# Altium PCB fMAX_MB.PcbDoc (part 7 of 13)
Units mil, origin at the board's own origin, x right, y up, seen from the top; angles counter-clockwise.
Board outline 9175 x 6300 mil, 14 copper layers (TopLayer, Gnd1, MidLayer1, Power1, MidLayer4, Power2, MidLayer2, Power3, MidLayer3, Gnd3, MidLayer6, Gnd2, MidLayer5, BottomLayer); 679 components, 896 nets, 4133 pads, 2341 vias.
Unrouted connection lines stored in the file: 4.
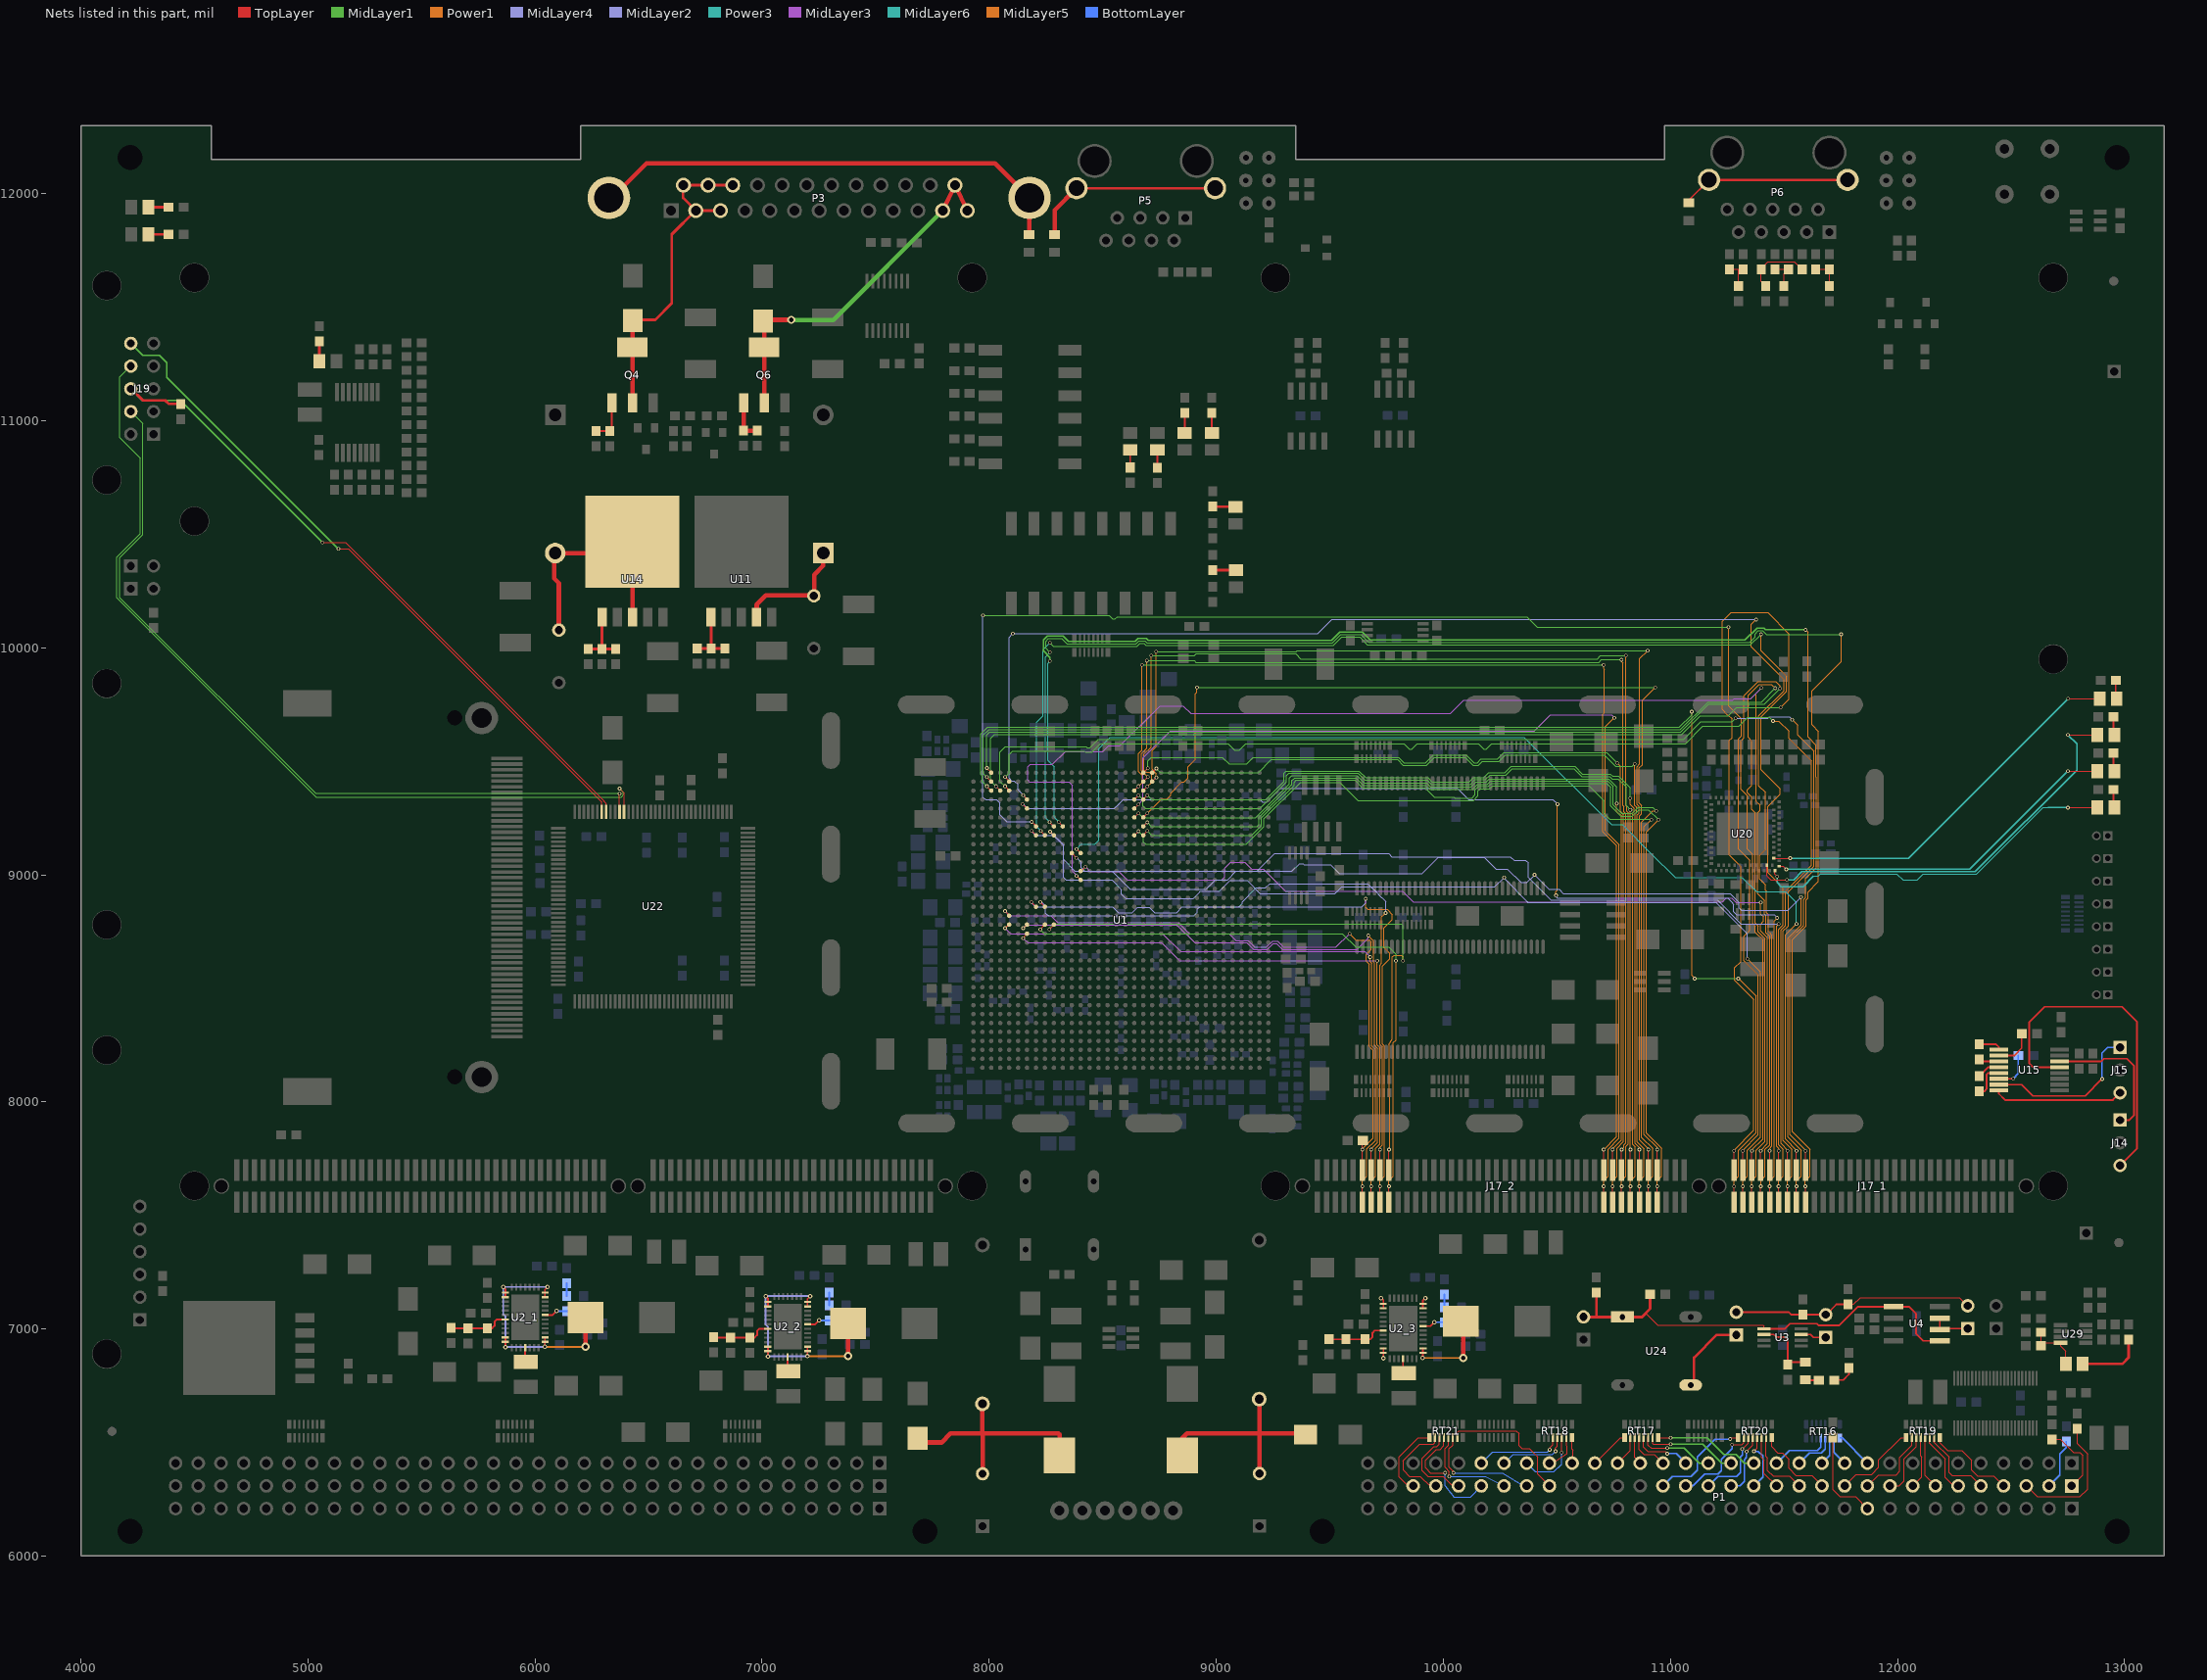
[diagram p19: the nets of this part, all layers, seen from the top]

## Via types
v1: diameter 16, hole 10, TopLayer to BottomLayer, tented both sides, 2192 vias
v2: diameter 36, hole 20, TopLayer to BottomLayer, tented both sides, 84 vias
v3: diameter 20, hole 10, TopLayer to BottomLayer, tented both sides, 61 vias
v4: diameter 160, hole 125, TopLayer to BottomLayer, tented both sides, 4 vias

## Nets (pads, with @x,y where several pads share a name; then routed paths per layer and width w, separated by ;. In a path a pad name is that pad's centre, name@x,y a point inside that pad or via, vN(x,y) a via of type N, cw(c..) or ccw(c..) an arc to the next point about the centre after c; other vN are vias at no path point) (continued)
M2_DEMODA_DATA4: J17_2.7 U1.R8 | length 4366.2
  TopLayer w5: U1.R8@8678.43,9174.02 8678.43,9174.43 v1(8697,9193) ; J17_2.7@10941.89,7558.27 v1@10941.89,7627.89
  MidLayer1 w5: v1(8697,9193) 8716,9174 9156.28,9174 9199.8,9217.52 9199.8,9250.26 9343.5,9393.96 9343.5,9407.48 9353.02,9417 9611.08,9417 9644.22,9383.86 9919.08,9383.86 9961.41,9341.54 10047.43,9341.54 10050.39,9338.58 10125.98,9338.58 10139.76,9352.36 10139.76,9374.64 10153.71,9388.59 10198.62,9388.59 10212.28,9402.24 10719.85,9402.24 10737.05,9385.05 10737.05,9302.32 10782.48,9256.89 10832.68,9256.89 10862.05,9286.26 10903.7,9286.26 v1(10947.83,9242.13)
  MidLayer5 w5: v1@10941.89,7627.89 10941.89,7652.89 10961,7672 10961,7794.91 10893.78,7862.13 10893.78,9188.07 v1(10947.83,9242.13)
  other v1: 10942,7628
M2_DEMODA_DATA5: J17_2.8 U1.T8 | length 4201
  TopLayer w5: U1.T8@8639.06,9174.06 v1(8657,9192) ; J17_2.8@10941.89,7700 v1@10941.89,7789.89
  MidLayer1 w5: v1(8657,9192) 8658,9192 8680,9170 8680,9144 8687,9137 8687,9136.82 8689.96,9133.86 9131.89,9133.86 9210.63,9212.6 9210.63,9246.94 9370.69,9407 9543.79,9407 9623.03,9327.76 10131.89,9327.76 10151.57,9347.44 10151.57,9368.9 10161.26,9378.59 10204.37,9378.59 10218.03,9392.24 10641.22,9392.24 10707.68,9325.79 10707.68,9270.67 10733.27,9245.08 10913.39,9245.08 v1(10915.35,9243.11)
  MidLayer5 w5: v1(10915.35,9243.11) 10883.78,9211.54 10883.78,7856.38 10940.94,7799.21 v1@10940.94,7791.34
  other v1: 10942,7790
M2_DEMODA_DATA6: J17_2.9 U1.R7 | length 4335.8
  TopLayer w5: U1.R7@8678.43,9213.39 v1(8696,9231) ; J17_2.9@10902.52,7558.27 v1@10902.52,7627.48
  MidLayer1 w5: v1(8696,9231) 8714,9213 9180.52,9213 9187.99,9220.47 9187.99,9252.59 9332.68,9397.28 9332.68,9414.36 9345.32,9427 9615.22,9427 9647.53,9394.68 9922.4,9394.68 9940.12,9376.97 10127.95,9376.97 10149.57,9398.59 10193.86,9398.59 10207.52,9412.24 10724,9412.24 10747.05,9389.19 10747.05,9307.09 10784.45,9269.68 10830.71,9269.68 10857.28,9296.26 10922.24,9296.26 v1(10937.01,9281.5)
  MidLayer5 w5: v1(10903,7628) 10903,7653 10922,7672 10922,7794.54 10873.78,7842.76 10873.78,9232.97 10922.31,9281.5 v1(10937.01,9281.5)
M2_DEMODA_DATA7: J17_2.10 U1.R6 | length 4884.4
  TopLayer w5: U1.R6@8678.43,9252.76 8678.76,9252.76 v1(8697,9271) ; J17_2.10@10902.52,7700 v1@10902.52,7789.52
  MidLayer1 w5: v1(8915,9825) v1(10933,9825)
  MidLayer5 w5: v1(8697,9271) 8760,9334 8782,9334 8799.58,9351.58 8799.58,9359.44 8848.14,9408 8858,9408 8875,9425 8875,9474.72 8908,9507.72 8908,9797.35 8915,9804 v1(8915,9825) ; v1@10902.52,7789.52 10902.52,7794.33 10863.78,7833.07 10863.78,9259.35 10872.05,9267.61 10872.05,9306.1 10863,9315.15 10863,9471.89 10875.98,9484.87 10875.98,9767.98 v1(10933,9825)
  other v1: 10903,7790
M2_DEMODA_DATA8: J17_2.11 U1.P2 | length 5236.8
  TopLayer w5: U1.P2@8717.8,9410.24 8718.24,9410.24 v1(8736,9428) ; J17_2.11@10863.15,7558.27 v1@10863.15,7627.15
  MidLayer1 w5: v1(8735,9983) 9352,9983 9356,9987 v1(10900,9987)
  MidLayer5 w5: v1(8735,9983) 8735,9565 8717,9547 8717,9465 8736,9446 v1(8736,9428) ; v1(10863,7628) 10863,7653 10883,7673 10883,7794.17 10853.78,7823.39 10853.78,9263.49 10861.22,9270.93 10861.22,9301.18 10860.39,9302.01 10860.39,9302.99 10853,9310.39 10853,9476.03 10865.16,9488.19 10865.16,9952.16 v1(10900,9987)
M2_DEMODA_DATA9: J17_2.12 U1.P1 | length 4049
  TopLayer w5: U1.P1@8717.8,9449.61 8717.8,9449.8 v1(8736,9468) ; J17_2.12@10863.15,7700 v1(10863.15,7789.85)
  MidLayer1 w5: v1(8736,9468) 8754,9450 9185.24,9450 9242.24,9507 9798,9507 9822.72,9482.28 9926.18,9482.28 9961.29,9517.39 10096.42,9517.39 10131.53,9482.28 10154.53,9482.28 10171.71,9499.47 10244.55,9499.47 10272.47,9527.39 10707.85,9527.39 10757.87,9477.36 10832.36,9477.36 v1(10843,9488)
  MidLayer5 w5: v1(10843,9488) 10843,9305.62 10850.39,9298.23 10850.39,9274.24 10843.78,9267.63 10843.78,7817.64 10863.15,7798.27 v1(10863.15,7789.85)
M2_DEMODA_DATA10: J17_2.13 U1.R4 | length 4168.1
  TopLayer w5: U1.R4@8678.43,9331.5 8678.43,9332.43 v1(8696,9350) ; J17_2.13@10823.78,7558.27 v1@10823.78,7627.78
  MidLayer1 w5: v1(8696,9350) 8715,9331 9217.81,9331 9297.24,9410.43 9297.24,9446.85 9307.39,9457 9627.65,9457 9657.48,9427.17 9932.35,9427.17 9950.06,9409.45 10114.17,9409.45 10133.31,9428.59 10178.76,9428.59 10199.65,9449.47 10271.32,9449.47 10299.24,9477.39 10578.71,9477.39 10612.2,9443.9 10734.77,9443.9 10744.61,9434.06 10771.65,9434.06 10823.82,9381.89 10823.82,9338.58 v1(10822.83,9337.6)
  MidLayer5 w5: v1(10822.83,9337.6) 10822.83,9310.04 10839.57,9293.31 10839.57,9277.56 10833.78,9271.77 10833.78,7811.89 10844,7801.67 10844,7673 10823.78,7652.78 v1@10823.78,7628
  other v1: 10824,7628
M2_DEMODA_DATA11: J17_2.14 U1.T4 | length 4071.3
  TopLayer w5: U1.T4@8639.06,9331.5 8639.5,9331.5 v1(8658,9350) ; J17_2.14@10823.78,7700 v1@10823.78,7789.78
  MidLayer1 w5: v1(8658,9350) 8677,9331 8677,9303 8688,9292 9193.57,9292 9310.04,9408.46 9310.04,9437.01 9320.03,9447 9623.5,9447 9654.16,9416.34 9929.03,9416.34 9946.75,9398.62 10119.09,9398.62 10139.06,9418.59 10184.33,9418.59 10205.22,9439.47 10276.05,9439.47 10303.98,9467.39 10574.57,9467.39 10608.89,9433.07 10731.45,9433.07 10742.28,9422.24 10769.32,9422.24 10805.12,9386.45 10805.12,9304.88 v1(10823.78,9286.22)
  MidLayer5 w5: v1@10823.78,7789.78 v1(10823.78,9286.22)
  other v1: 10824,7790
M2_DEMODA_DATA12: J17_2.15 U1.R3 | length 5175.1
  TopLayer w5: U1.R3@8678.43,9370.87 8678.87,9370.87 v1(8697,9389) ; J17_2.15@10784.41,7558.27 v1@10784.41,7627.59
  MidLayer1 w5: v1(8714,9965) 8904,9965 8912,9973 9349,9973 9371,9951 10678,9951 10692,9965 v1(10804,9965)
  MidLayer5 w5: v1(8697,9389) 8715,9407 8715,9442 8705,9452 8691.14,9452 8682,9461.14 8682,9530.72 8714,9562.72 v1(8714,9965) ; v1(10785,7628) 10785,7653 10804,7672 10804,7804 10813.78,7813.78 10813.78,9272.83 10807.09,9279.53 10807.09,9303.15 10804,9306.24 v1(10804,9965)
M2_DEMODA_DATA13: J17_2.16 U1.R2 | length 4920.6
  TopLayer w5: U1.R2@8678.43,9410.24 8678.43,9410.43 v1(8698,9430) ; J17_2.16@10784.41,7700 v1@10784.41,7789.59
  MidLayer1 w5: v1(8694,9943) 8903,9943 8910,9936 10684,9936 10695,9947 v1@10783,9947
  MidLayer5 w5: v1(8694,9943) 8694,9557 8685,9548 8685,9547.86 8671,9533.86 8671,9458 8698,9431 v1(8698,9430) ; v1@10784,9947 v1(10784.41,9946.59) 10784.41,9940 10791.34,9933.07 10791.34,9304.76 10795.28,9300.82 10795.28,9277.2 10803.78,9268.69 10803.78,7819.53 10794,7809.75 10794,7799 v1(10785,7790)
M2_DEMODA_DATA14: J17_2.17 U1.R1 | length 4199.4
  TopLayer w5: U1.R1@8678.43,9449.61 8678.61,9449.61 v1(8698,9469) ; J17_2.17@10745.04,7558.27 v1(10745,7628)
  MidLayer1 w5: v1(8698,9469) 8698,9500.86 8714.53,9517.39 9026.61,9517.39 9056,9488 9134,9488 9163,9517 9802.15,9517 9826.15,9493 9922.13,9493 9956.52,9527.39 10100.56,9527.39 10134.84,9493.11 10149.61,9493.11 10165.96,9509.47 10238.8,9509.47 10266.72,9537.39 10720.61,9537.39 v1(10765,9493)
  MidLayer5 w5: v1(10745,7628) 10745,7653 10765,7673 10765,7796.5 10793.78,7825.28 10793.78,9264.55 10779.53,9278.8 10779.53,9478.47 v1(10765,9493)
M2_DEMODA_DATAX: J17_2.18 U1.T6 | length 3992.3
  TopLayer w5: U1.T6@8639.06,9252.76 8639.06,9253.06 v1(8657,9271) ; J17_2.18@10745.04,7700 v1(10745,7790)
  MidLayer1 w5: v1(8657,9271) 8676,9252 9173.26,9252 9320.87,9399.61 9320.87,9425.2 9332.67,9437 9619.36,9437 9650.85,9405.51 9925.71,9405.51 9943.43,9387.8 10122.75,9387.8 10143.54,9408.59 10189.1,9408.59 10202.76,9422.24 10728.14,9422.24 10763.78,9386.6 v1(10763.78,9313.98)
  MidLayer5 w5: v1(10745,7790) 10745,7792.24 10783.78,7831.02 10783.78,9260.41 10763.78,9280.41 v1(10763.78,9313.98)
M2_DEMODA_S0: J17_2.19 U1.T5 | length 4601.3
  TopLayer w5: U1.T5@8639.06,9292.13 U1.T5@8639.06,9292.13 v1(8657,9310) ; J17_2.19@10705.67,7558.27 v1@10705.67,7627.67
  MidLayer3 w5: v1(8657,9310) 8657,9310.54 8677.17,9330.71 8677.17,9513.78 8797.24,9633.86 10399.61,9633.86 10470.47,9704.72 10740.16,9704.72 v1(10752.95,9691.93)
  MidLayer5 w5: v1@10705.67,7627.67 10705.67,7652.67 10725,7672 10725,7791.93 10773.78,7840.71 10773.78,9131.73 10712.91,9192.6 10712.91,9651.89 v1(10752.95,9691.93)
  other v1: 10706,7628
M2_DEMODA_S1: J17_2.20 U1.T3 | length 4891.4
  TopLayer w5: U1.T3@8639.06,9370.87 8639.06,9371.06 v1(8658,9390) ; J17_2.20@10705.67,7700 v1@10705.67,7789.67
  MidLayer1 w5: v1(8673,9924) v1(10706,9924)
  MidLayer5 w5: v1(8658,9390) 8674,9406 8674,9436 8657,9453 8657,9534 8673,9550 v1(8673,9924) ; v1(10706,7790) 10707.32,7790 10763.78,7846.46 10763.78,9127.59 10702.91,9188.46 10702.91,9706.85 10708.66,9712.6 10708.66,9905.51 10706,9908.17 v1(10706,9924)
M2_DEMODB_DATA0: J17_1.50 U1.AB10 | length 5155.7
  TopLayer w5: v1(8385,9113) 8402.72,9095.28 U1.AB10@8402.83,9095.28 ; J17_1.50@11555.12,7700 v1@11555.12,7783.88
  MidLayer5 w5: v1(11555,7785) 11555,7787.52 11507,7835.52 11507,8735.35 v1(11555.12,8783.47)
  MidLayer6 w5: v1@8385,9111.06 v1(8385,9113) ; v1@8385.83,9113.19 8385.83,9114.17 8405.51,9133.86 8465.55,9133.86 8483.27,9151.57 8483.27,9556.1 8532.99,9605.83 10355.68,9605.83 10741.04,9220.47 10787.87,9220.47 10913.85,9094.49 ; 10914.27,9094.49 11020.57,8988.19 11315.84,8988.19 11378.83,8925.2 11507.87,8925.2 11555.12,8877.95 v1(11555.12,8783.47)
M2_DEMODB_DATA1: J17_1.51 U1.AK3 | length 5990.8
  TopLayer w5: v1(8070,9390) 8087.87,9372.13 U1.AK3@8087.87,9370.87 ; J17_1.51@11515.75,7558.27 v1@11515.75,7627.75
  MidLayer1 w5: v1(8070,9390) 8048,9412 8048,9541 8072,9565 8427.09,9565 8432.09,9560 8443,9560 8480.39,9597.39 11057.96,9597.39 11134.57,9674 11271,9674 v1(11287,9689)
  MidLayer2 w5: v1(11287,9689) 11429,9689 11435,9695 11524,9695 v1(11536,9683)
  MidLayer5 w5: v1(11516,7628) 11516,7653 11535,7672 11535,7791.77 11497,7829.77 11497,8752.18 11519.68,8774.87 11519.68,8925.2 11631.73,9037.24 11631.73,9426.6 11631.57,9426.75 11631.57,9544.61 11560.04,9616.14 11560.04,9658.96 v1(11536,9683)
M2_DEMODB_DATA2: J17_1.52 U1.AK2 | length 5768.3
  TopLayer w5: v1(8070,9430) 8087.87,9412.13 U1.AK2@8087.87,9410.24 ; J17_1.52@11515.75,7700 v1@11515.75,7783.25
  MidLayer1 w5: v1(8070,9430) 8088,9448 8088,9530 8103,9545 8418.81,9545 8423.81,9540 8453,9540 8490.39,9577.39 9051.47,9577.39 9079.86,9549 9101,9549 9129.39,9577.39 9826,9577 9827,9577 9850,9554 9862,9554 9885.39,9577.39 10154.61,9577.39 10178,9554 10190,9554 10213.39,9577.39 11066.25,9577.39 11142.86,9654 11301.53,9654 11341.53,9694 11435,9694 v1(11452,9677)
  MidLayer5 w5: v1(11452,9677) 11477.53,9677 11521.65,9632.87 11521.65,9601.38 11621.57,9501.46 11621.57,9422.61 11621.73,9422.46 11621.73,9041.39 11516.2,8935.86 11516,8935.86 11507.87,8927.73 11507.87,8777.2 11487,8756.32 11487,7816.15 11516,7787.15 v1(11516,7785)
M2_DEMODB_DATA3: J17_1.53 U1.AF8 | length 6783.1
  TopLayer w5: v1(8227,9193) 8245.35,9174.65 U1.AF8@8245.35,9174.02 ; J17_1.53@11476.38,7558.27 v1@11476.38,7627.62
  MidLayer1 w5: v1(8267.72,10021.65) 8282.48,10006.89 8651.57,10006.89 8663.39,10018.7 8682.09,10018.7 8689.96,10010.83 9516.68,10010.83 9552.12,10046.26 9631.89,10046.26 9665.15,10013 11352.57,10013 v1(11398.62,10059.06)
  MidLayer5 w5: v1(11398.62,10059.06) 11398.62,9987.2 11510.83,9875 11510.83,9807.71 11397.95,9694.83 11397.95,9463.27 11483.27,9377.95 11483.27,9354.33 11430.12,9301.18 11430.12,9008.86 11495.21,8943.77 11495.21,8778.67 11477,8760.46 11477,7810.4 11496,7791.4 11496,7673 11476,7653 v1(11476,7628)
  MidLayer6 w5: v1@8228.43,9193 v1(8227,9193) 8227,9194.26 8208.66,9212.6 8208.66,9671.26 8237.05,9699.65 8237.05,9990.98 v1(8267.72,10021.65)
M2_DEMODB_DATA4: J17_1.54 U1.AE8 | length 4643
  TopLayer w5: v1(8268,9190) 8283.98,9174.02 U1.AE8@8284.72,9174.02 ; J17_1.54@11476.38,7700 v1@11476.38,7784.62
  MidLayer2 w5: v1(8268,9190) 8268,9188.69 8326.77,9129.92 8326.77,9066.93 8377.95,9015.75 9179.13,9015.75 9257.24,9093.86 9758.76,9093.86 9772.9,9079.72 10295.53,9079.72 10311.28,9063.98 10362.2,9063.98 10373.86,9052.32 10373.86,8988.35 10474.25,8887.95 11206.54,8887.95 11311.02,8783.47 v1(11476.38,8783.47) 11464.57,8783.46
  MidLayer5 w5: v1@11476.38,7784.62 11476.38,7795.28 11467,7804.65 11467,8774.09 v1(11476.38,8783.47)
  other v1: 11477,7785
M2_DEMODB_DATA5: J17_1.55 U1.AH5 | length 5174.3
  TopLayer w5: v1(8147,9312) 8166.61,9292.39 U1.AH5@8166.61,9292.13 ; J17_1.55@11437.01,7558.27 v1(11437,7628)
  MidLayer2 w5: v1(10496,8909) 10496,8904.75 10502.8,8897.95 11252.64,8897.95 11274.61,8875.98 11274.61,8873.19 11277.56,8870.23 11277.56,8836.61 11290.35,8823.82 11456.18,8823.82 v1(11470,8810)
  MidLayer5 w5: v1(10496,8909) 10496,8926.12 10501.81,8931.93 v1@10501.81,9309.88 ; v1(11437,7628) 11437,7653 11457,7673 11457,8797 v1(11470,8810)
  MidLayer4 w5: v1(8147,9312) 8147.65,9312 8168.31,9291.34 8551.18,9291.34 8590.55,9330.71 9191.57,9330.71 9202.39,9319.88 9223.43,9319.88 9283.54,9380 10061.57,9380 10110.86,9330.71 10483.27,9330.71 v1(10502.95,9311.02)
M2_DEMODB_DATA6: J17_1.56 U1.AH4 | length 6661.9
  TopLayer w5: v1(8150,9350) 8166.61,9333.39 U1.AH4@8166.61,9331.5 ; J17_1.56@11437.01,7700 v1@11437.01,7783.99
  MidLayer2 w5: v1(8104,10062) 8088,10046 8088,9425 8099,9414 8109,9414 8126,9397 8126,9374 v1(8150,9350)
  MidLayer5 w5: v1(11378,10124) 11356.3,10102.3 11356.3,10003.94 11500,9860.24 11500,9811.02 11387.95,9698.98 11387.95,9392.56 11417.32,9363.19 11417.32,9110.24 11393,9085.91 11393,8982 11418.31,8956.69 11418.31,8933.07 11423.39,8927.99 11423.39,8832.52 11431.26,8824.65 11431.26,8749.84 11447,8734.1 11447,7805.27 11437,7795.27 v1(11437,7785)
  MidLayer4 w5: v1(8104,10062) 9447,10062 9509,10124 v1(11378,10124)
M2_DEMODB_DATA7: J17_1.57 U1.AB13 | length 6423.1
  TopLayer w5: v1(8385,8995) U1.AB13@8402.83,8977.17 ; J17_1.57@11397.64,7558.27 v1@11397.64,7627.64
  MidLayer3 w5: v1(8385,8995) 8385,8996.89 8366.14,9015.75 8366.14,9393.7 8350.39,9409.45 8177.17,9409.45 8169.29,9417.32 8169.29,9475.39 8180.12,9486.22 8278.39,9486.22 8335.47,9543.31 8500.1,9543.31 8525.69,9568.9 8576.31,9568.9 8751.5,9744.09 ; 8751.97,9744.09 8854.33,9744.09 8887.48,9710.94 10031.45,9710.94 10090.35,9769.84 11274.39,9769.84 11280.14,9775.59 11354.33,9775.59 v1(11401.57,9822.83)
  MidLayer5 w5: v1(11398,7628) 11398,7653 11417,7672 11417,7791.02 11437,7811.02 11437,8728.35 11421.26,8744.09 11421.26,8818.9 11413.39,8826.77 11413.39,8885.83 11383,8916.21 11383,9272.76 11393.7,9283.46 11393.7,9307.09 11377.95,9322.83 11377.95,9799.21 v1(11401.57,9822.83)
M2_DEMODB_DATA8: J17_1.58 U1.AB12 | length 4380.6
  TopLayer w5: U1.AB12@8402.83,9016.54 8402.46,9016.54 8402.69,9016.72 v1(8425,9035) ; J17_1.58@11397.64,7700 v1@11397.64,7783.36
  MidLayer3 w5: v1(8425,9035) 8445,9015 8571,9015 8609,8977 9023.26,8977 9037.4,8991.14 9037.4,9028.54 9063.35,9054.49 9125.53,9054.49 9155.41,9024.61 9206.85,9024.61 9304.13,8927.32 9820.71,8927.32 9868.03,8880 11228.06,8880 11245.7,8897.64 11271.65,8897.64 11271.65,8896.03 11289.73,8877.95 v1(11397.64,8877.95)
  MidLayer5 w5: v1(11397.64,8877.95) 11397.64,8826.77 11409.45,8814.96 11409.45,8795.28 11395.83,8781.65 11395.83,8753.78 11427,8722.61 11427,7816.76 11398,7787.76 v1(11398,7785)
M2_DEMODB_DATA9: J17_1.59 U1.AM2 | length 6241.9
  TopLayer w5: v1(7990,9430) 8009.13,9410.87 U1.AM2@8009.13,9410.24 ; J17_1.59@11358.27,7558.27 v1@11358.27,7627.73
  MidLayer1 w5: v1(7990,9430) 7974,9446 7974,9615 7999,9640 11044,9640 11165,9761 ; 11165.53,9761 11400.76,9761 v1(11461.61,9821.85)
  MidLayer5 w5: v1(11358,7628) 11358,7653 11378,7673 11378,7787.45 11417,7826.45 11417,8718.46 11385.83,8749.64 11385.83,8775.17 11373,8788 11373,9272.67 11358.27,9287.4 11358.27,9342.52 11338.58,9362.2 11338.58,9374.02 11358.27,9393.7 11358.27,9588.73 11342,9605 11342,9789.83 11390.75,9838.58 11444.88,9838.58 v1(11461.61,9821.85)
M2_DEMODB_DATA10: J17_1.60 U1.AM1 | length 6109.4
  TopLayer w5: v1(7990,9470) 8009.13,9450.87 U1.AM1@8009.13,9449.61 ; J17_1.60@11358.27,7700 v1@11358.27,7784.73
  MidLayer1 w5: v1(7990,9470) 7990,9616 8002,9628 11046.15,9628 11169.15,9751 11413.4,9751 v1(11483.27,9820.87)
  MidLayer5 w5: 11311.02,9590.55 11311.02,9375.62 11338.58,9348.06 11338.58,9114.17 11362.2,9090.55 11362.2,8784.65 11374.02,8772.84 11374.02,8747.31 11407,8714.32 11407,7836.13 11359,7788.13 v1(11359,7785) ; 11311.29,9590.29 11316,9595 11316,9595.53 11322.83,9602.36 11322.83,9787.4 11385.83,9850.39 11464.57,9850.39 11483.27,9831.69 v1(11483.27,9820.87)
M2_DEMODB_DATA11: J17_1.61 U1.AG8 | length 4827.5
  TopLayer w5: v1(8187,9193) U1.AG8@8205.98,9174.02 ; J17_1.61@11318.9,7558.27 v1@11318.9,7627.9
  MidLayer2 w5: v1(10267.72,8988.19) 10267.72,8983.27 10373.03,8877.95 11200.79,8877.95 11338.58,8740.16 v1(11338.58,8629.92)
  MidLayer5 w5: v1@11318.9,7627.9 11318.9,7652.9 11338,7672 11338,7786.82 11397,7845.82 11397,8571.5 v1(11338.58,8629.92)
  MidLayer4 w5: v1(8187,9193) 8187,9190.95 8204.72,9173.23 8283.46,9173.23 8326.77,9129.92 8326.77,8988.19 8338.58,8976.38 8541.34,8976.38 8582.68,8935.04 8582.68,8914.37 8601.38,8895.67 8898.88,8895.67 8922.5,8919.29 8922.5,8919.55 8929.96,8927.01 9013.62,8927.01 9061.02,8974.41 9135.83,8974.41 9192.6,8917.64 9523.21,8917.64 9552.58,8947.01 10226.54,8947.01 v1(10267.72,8988.19)
  other v1: 11319,7628
M2_DEMODB_DATA12: J17_1.62 U1.AG7 | length 6936.7
  TopLayer w5: v1(8187,9233) 8205.98,9214.02 U1.AG7@8205.98,9213.39 ; J17_1.62@11318.9,7700 v1@11318.9,7784.9
  MidLayer1 w5: v1(7972.44,10141.73) 8527.56,10141.73 8543.31,10125.98 8555.12,10125.98 8565.13,10136 10367.94,10136 10413.39,10090.55 v1(11255.91,10090.55)
  MidLayer2 w5: v1(7972.44,10141.73) 7972.44,9342.52 7984.25,9330.71 8031.5,9330.71 8047.24,9314.96 8047.24,9263.78 8078.02,9233 v1(8187,9233)
  MidLayer5 w5: v1(11255.91,10090.55) 11255.91,9744.09 11312.83,9687.17 11312.83,9612.05 11299.21,9598.43 11299.21,9114.17 11350.39,9062.99 11350.39,8755.91 11322.83,8728.35 11322.83,8622.05 11387,8557.88 11387,7855.5 11318.9,7787.4 v1@11318.9,7784.9
  other v1: 11319,7785
M2_DEMODB_DATA13: J17_1.63 U1.AM3 | length 5876.8
  TopLayer w5: v1(7990,9390) U1.AM3@8009.13,9370.87 ; J17_1.63@11279.53,7558.27 v1@11279.53,7627.47
  MidLayer1 w5: v1(7990,9390) 7970,9410 7970,9435.86 7964,9441.86 7964,9620 7994,9650 11039.86,9650 11094,9704.14 v1(11094,9718) ; v1(11107,8543) v1(11299,8543)
  MidLayer5 w5: v1(11094,9718) 11094,8556 v1(11107,8543) ; v1(11280,7627) 11280,7653 11299,7672 11299,7787.19 11377,7865.19 11377,8465.52 v1@11299.21,8543.31
M2_DEMODB_DATA14: J17_1.64 U1.AL3 | length 7011.7
  TopLayer w5: v1(8030,9390) 8048.5,9371.5 U1.AL3@8048.5,9370.87 ; J17_1.64@11279.53,7700 v1@11279.53,7784.53
  MidLayer1 w5: v1(8030,9390) 8006,9414 8006,9600 8024,9618 11050.29,9618 11132.09,9699.8 11254.92,9699.8 11291.34,9736.22 v1(11485.24,9736.22)
  MidLayer5 w5: v1@11279.53,7787.4 11367,7874.87 11367,8451.9 11283.46,8535.43 11283.46,8590.55 11311.02,8618.11 11311.02,9035.43 11259.84,9086.61 11259.84,9592.52 11270.67,9603.35 11270.67,9686.02 11251.97,9704.72 11250.98,9704.72 11228.35,9727.36 11228.35,10116.14 11267.72,10155.51 11428.15,10155.51 11522.64,10061.02 11522.64,9773.62 v1(11485.24,9736.22)
  other v1: 11280,7785
M2_DEMODB_DATAX: J17_1.49 U1.AC10 | length 4946.2
  TopLayer w5: U1.AC10@8363.46,9095.28 8363.72,9095.28 v1(8384,9075) ; J17_1.49@11555.12,7558.27 v1@11555.12,7627.88
  MidLayer2 w5: v1(10401.58,9000) 10401.58,8999.02 10464.41,8936.18 10509.68,8936.18 10527.91,8917.95 11263.31,8917.95 11302.17,8879.09 11302.17,8854.69 11313.04,8843.82 11517.05,8843.82 v1(11574.8,8901.58)
  MidLayer5 w5: v1(11555,7628) 11555,7653 11575,7673 11575,7787.2 11517,7845.2 11517,8721.72 11574.8,8779.53 v1(11574.8,8901.58)
  MidLayer4 w5: v1(8384,9075) 8385.63,9075 8405.51,9055.12 8405.51,9031.5 8421.26,9015.75 8541.34,9015.75 8620.08,8937.01 8955.71,8937.01 8996.06,8977.36 9049.21,8977.36 9087.6,9015.75 9332.68,9015.75 9366.14,9049.21 9382.87,9049.21 9387.64,9044.45 9504.09,9044.45 9542.17,9006.38 9906.97,9006.38 9977.36,9076.77 10180.12,9076.77 10231.3,9025.59 10282.48,9025.59 10341.06,8967.01 10368.58,8967.01 v1(10401.58,9000)